# Altium PCB MotorDriverV2.PcbDoc (part 1 of 2)
Units mm, origin at the board's own origin, x right, y up, seen from the top; angles counter-clockwise.
Board outline 159.35 x 101.3 mm, 4 copper layers (Top Layer, GND, VS, Bottom Layer), stack 0.778 mm thick; 213 components, 141 nets, 729 pads, 323 vias.
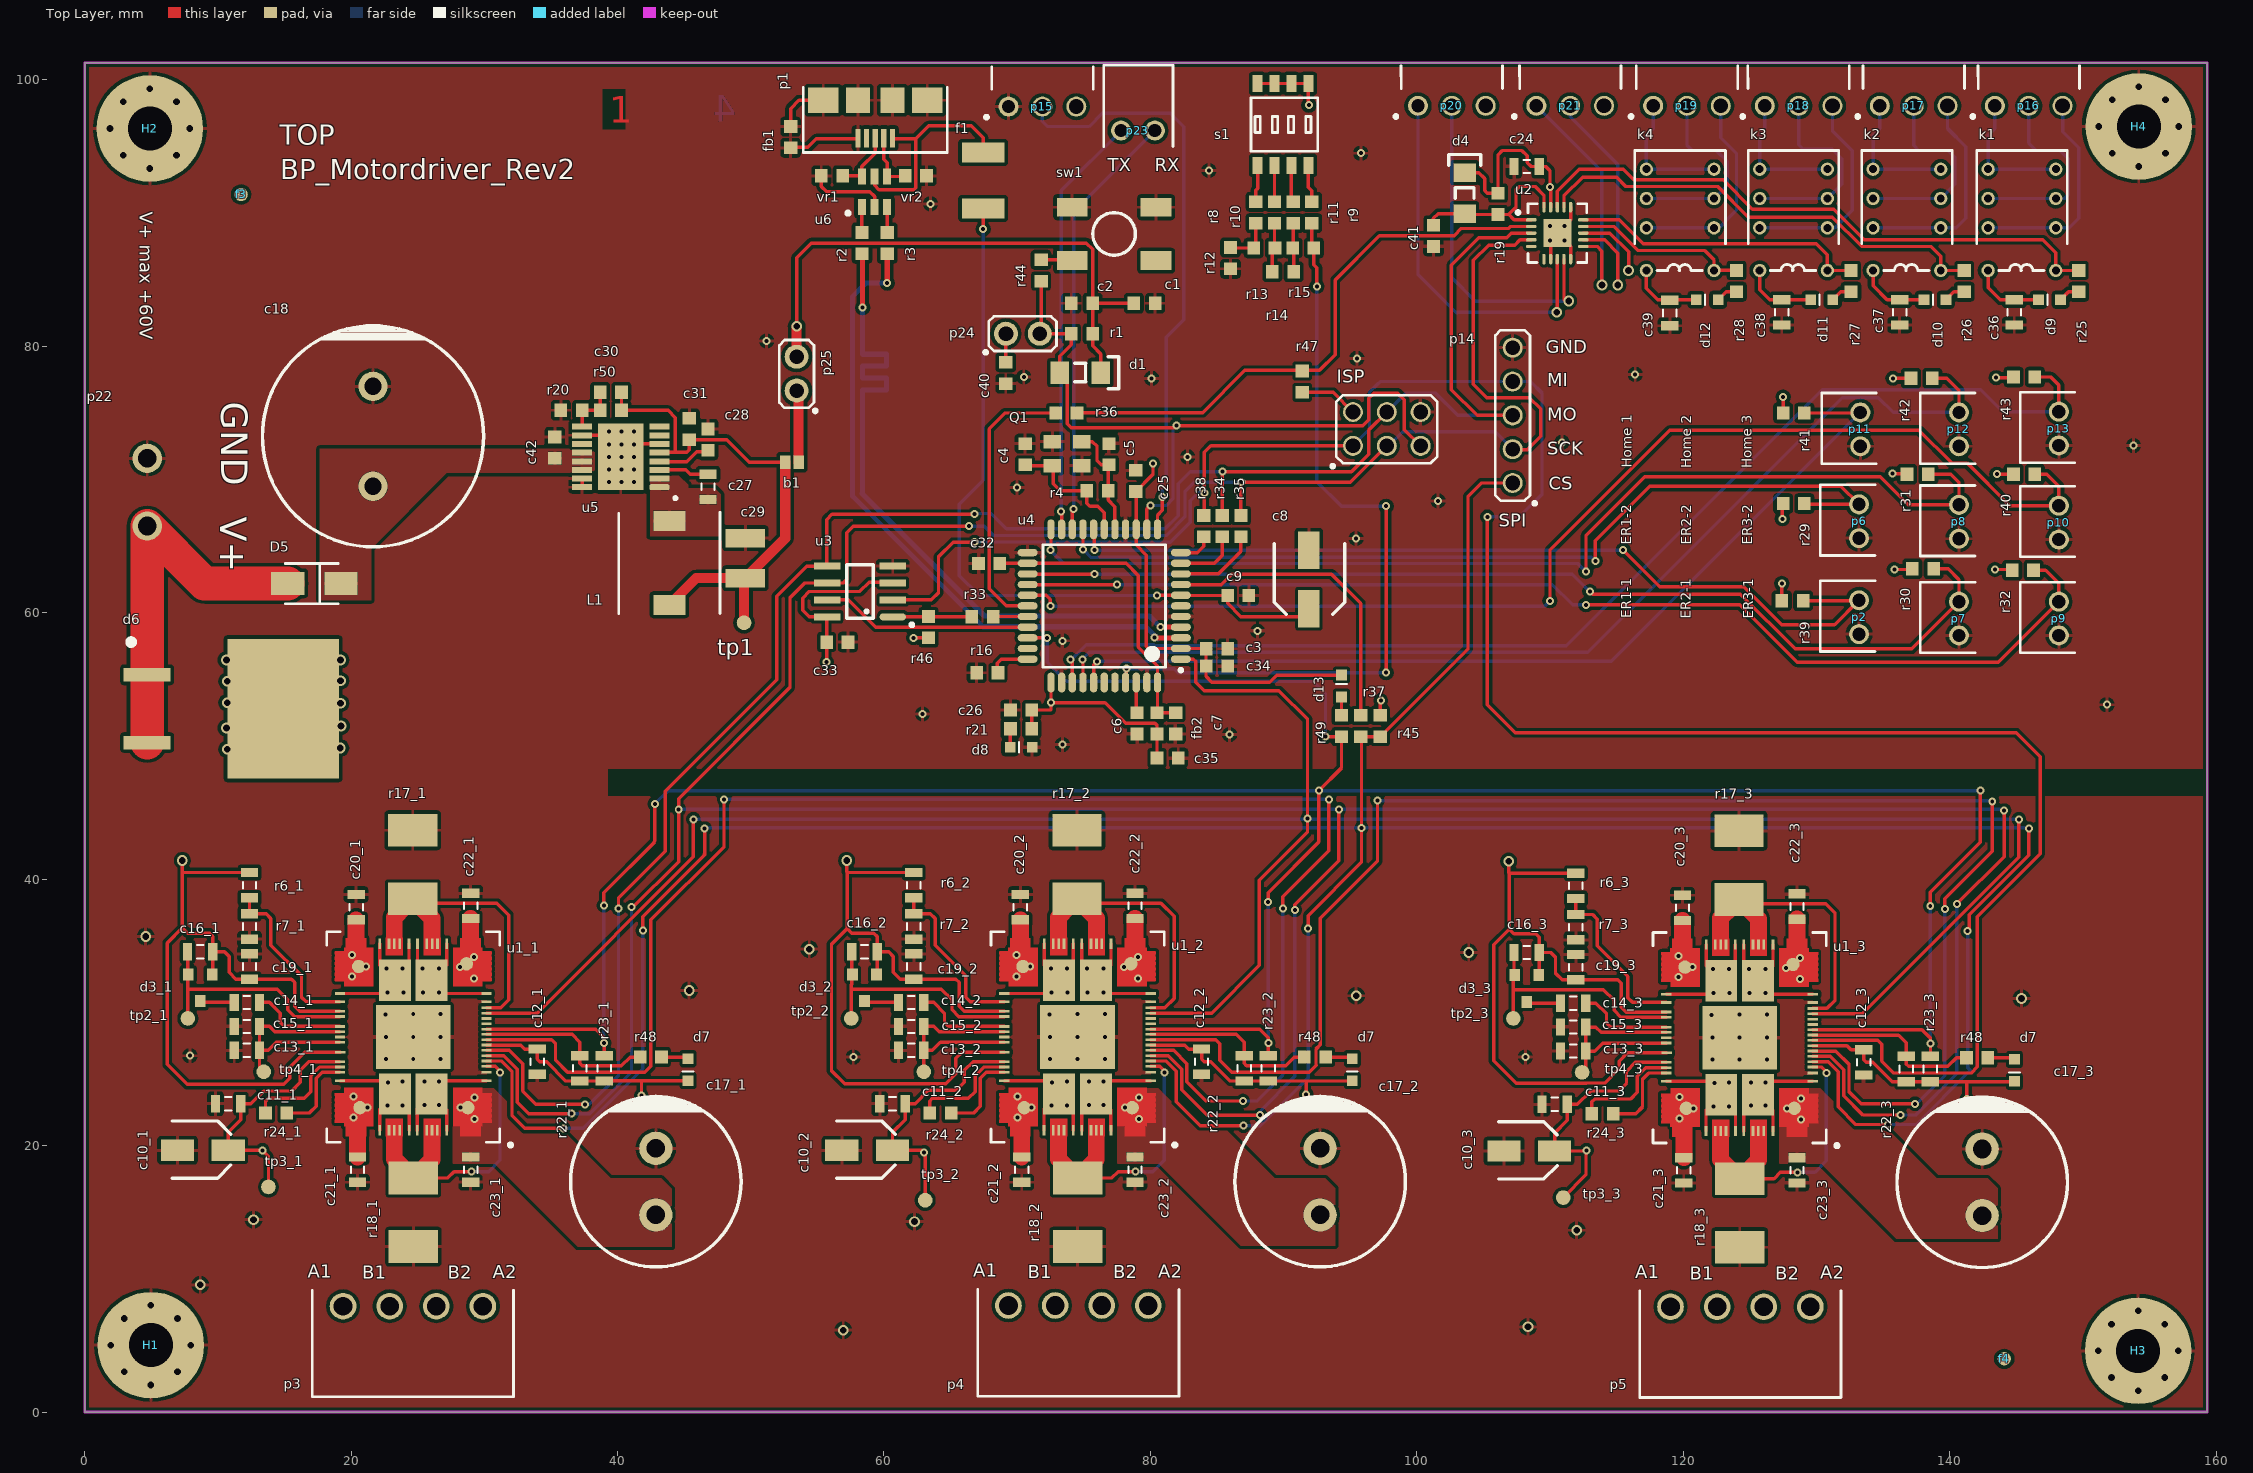
[diagram p0: Top Layer view]
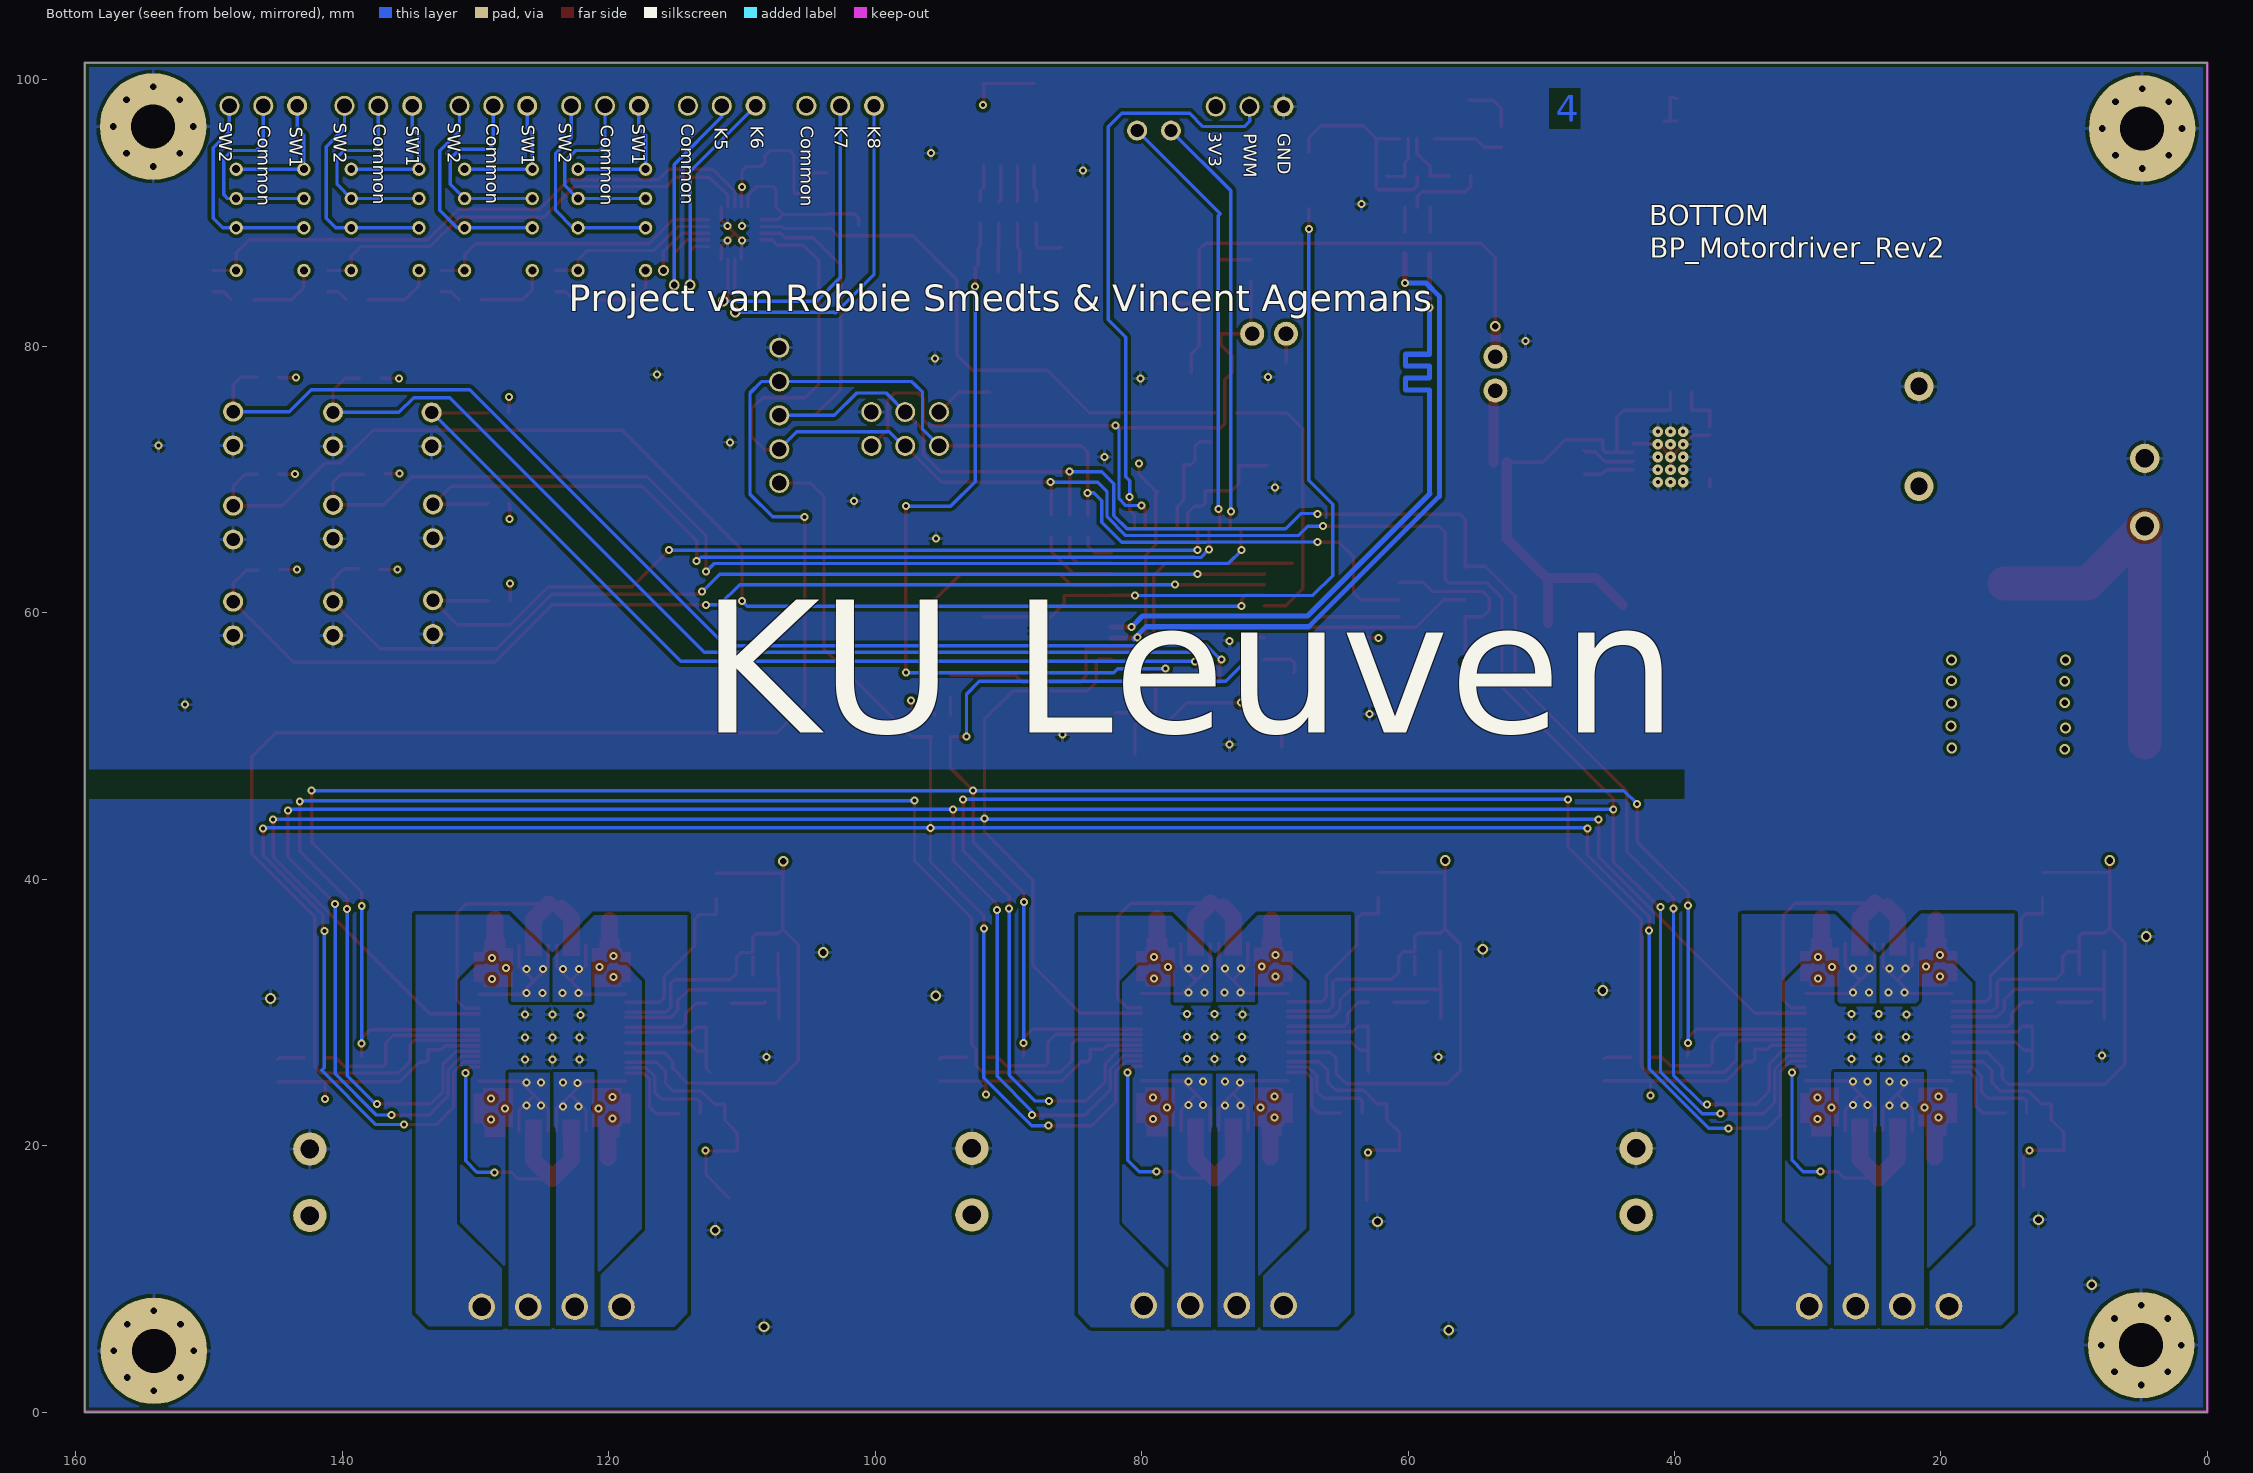
[diagram p1: Bottom Layer view, seen from below]
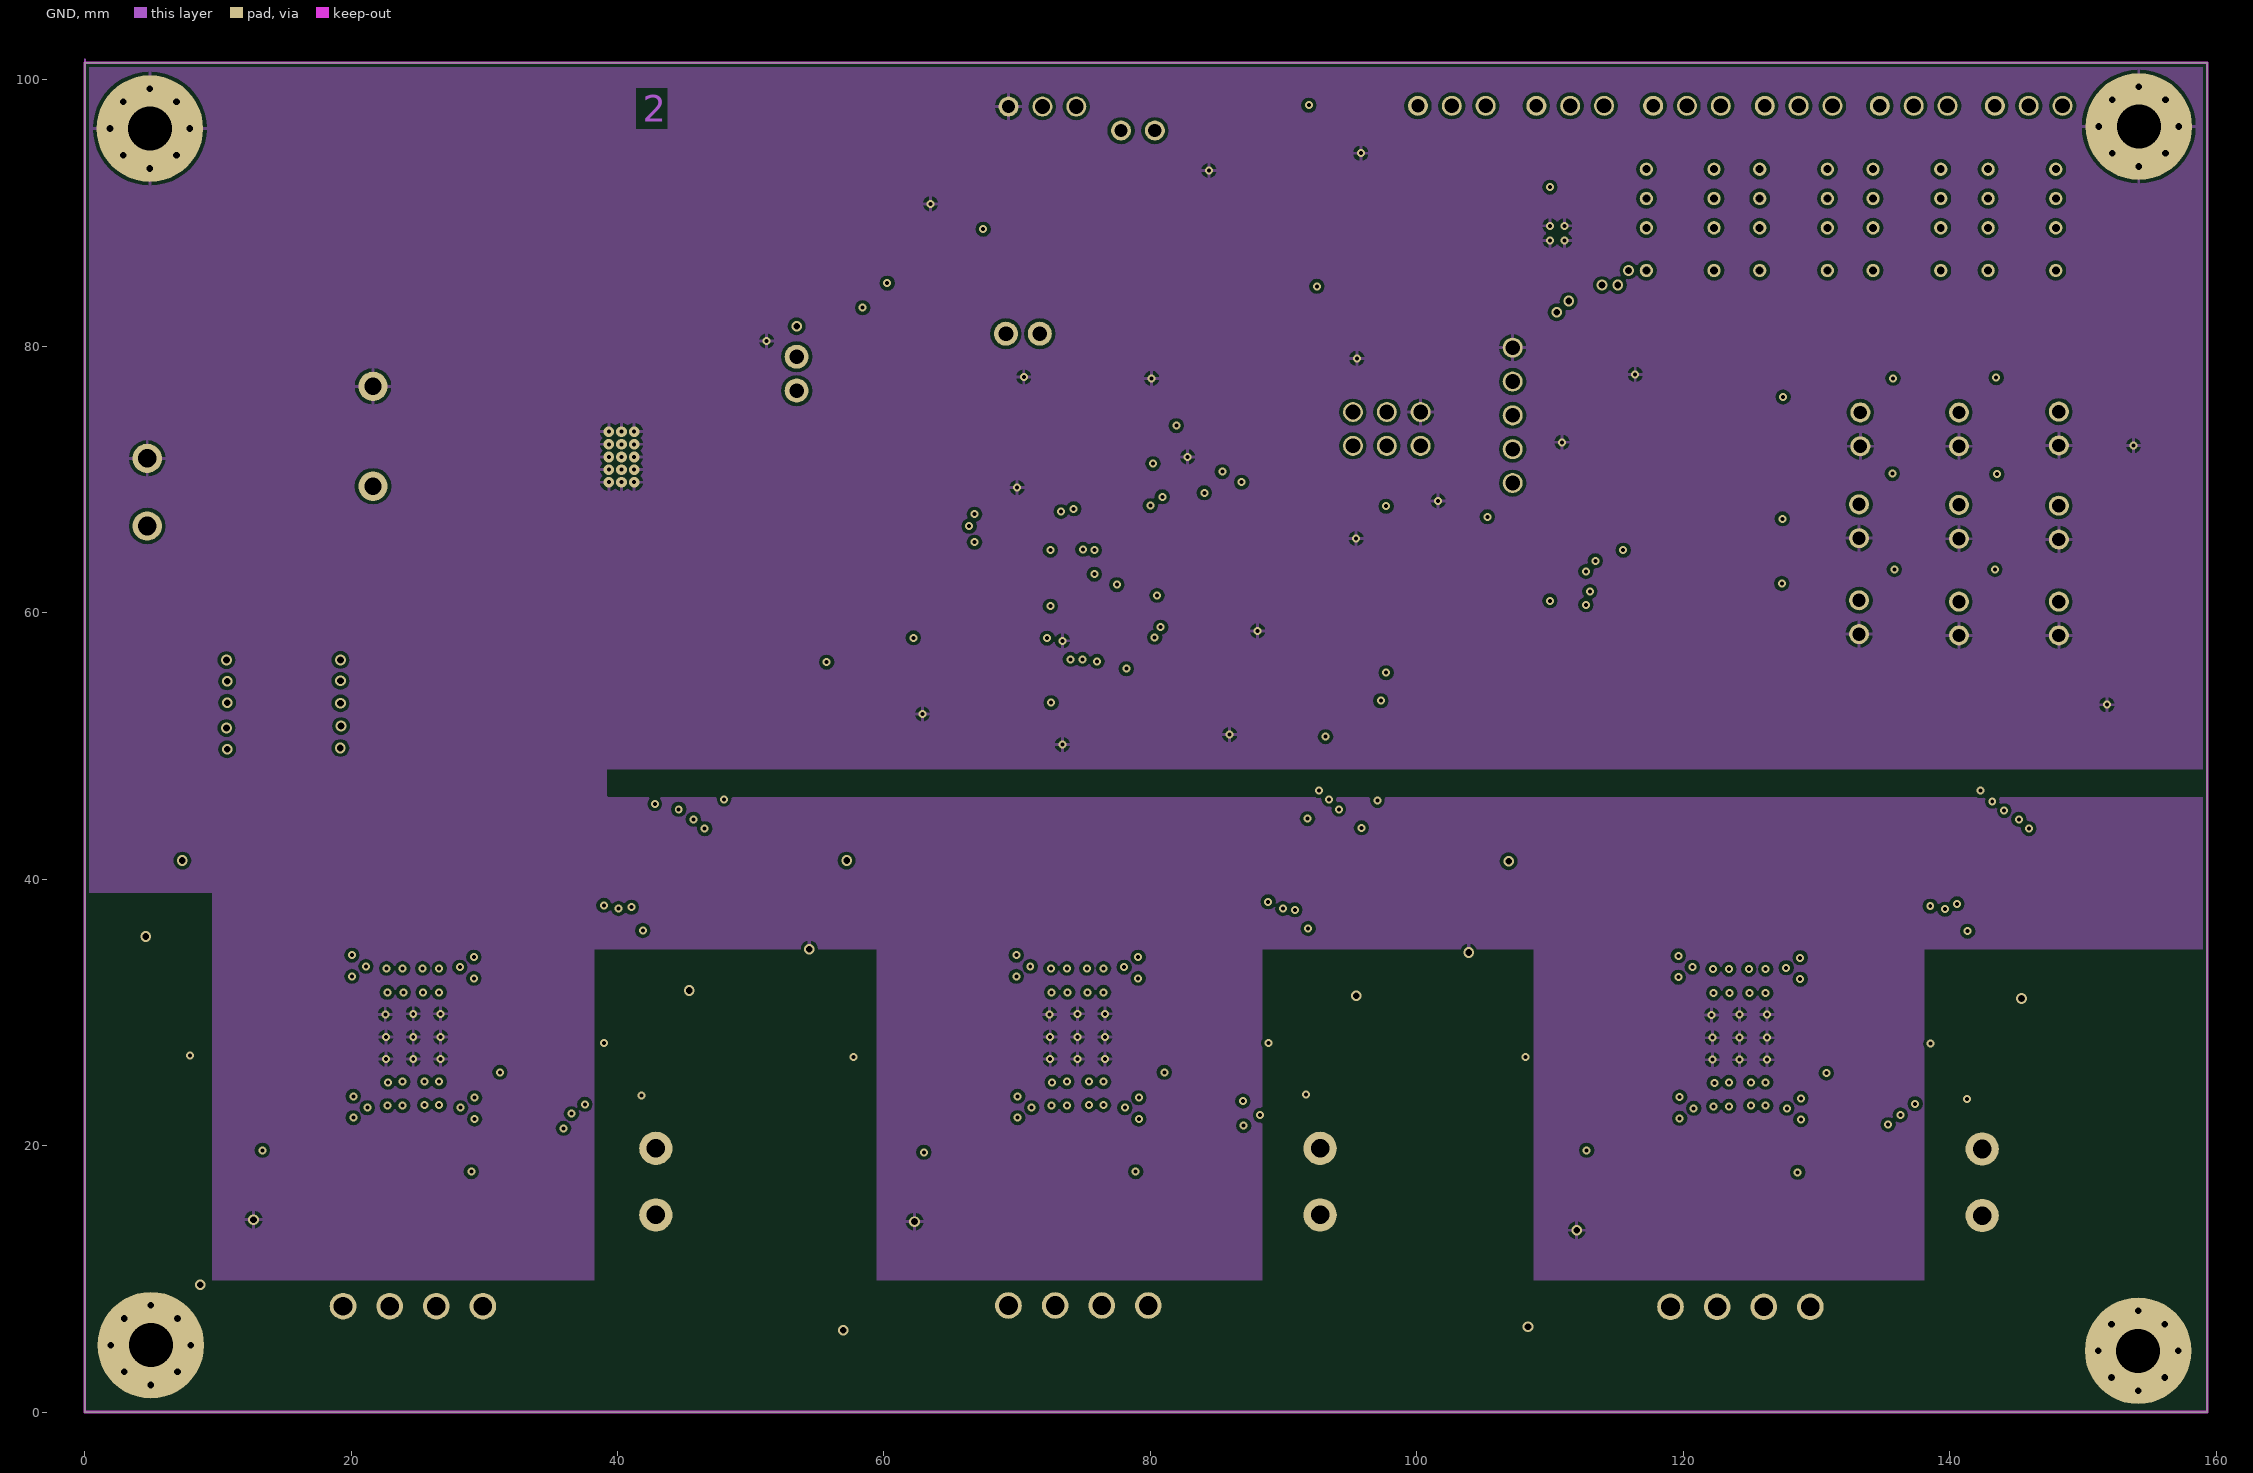
[diagram p2: GND]
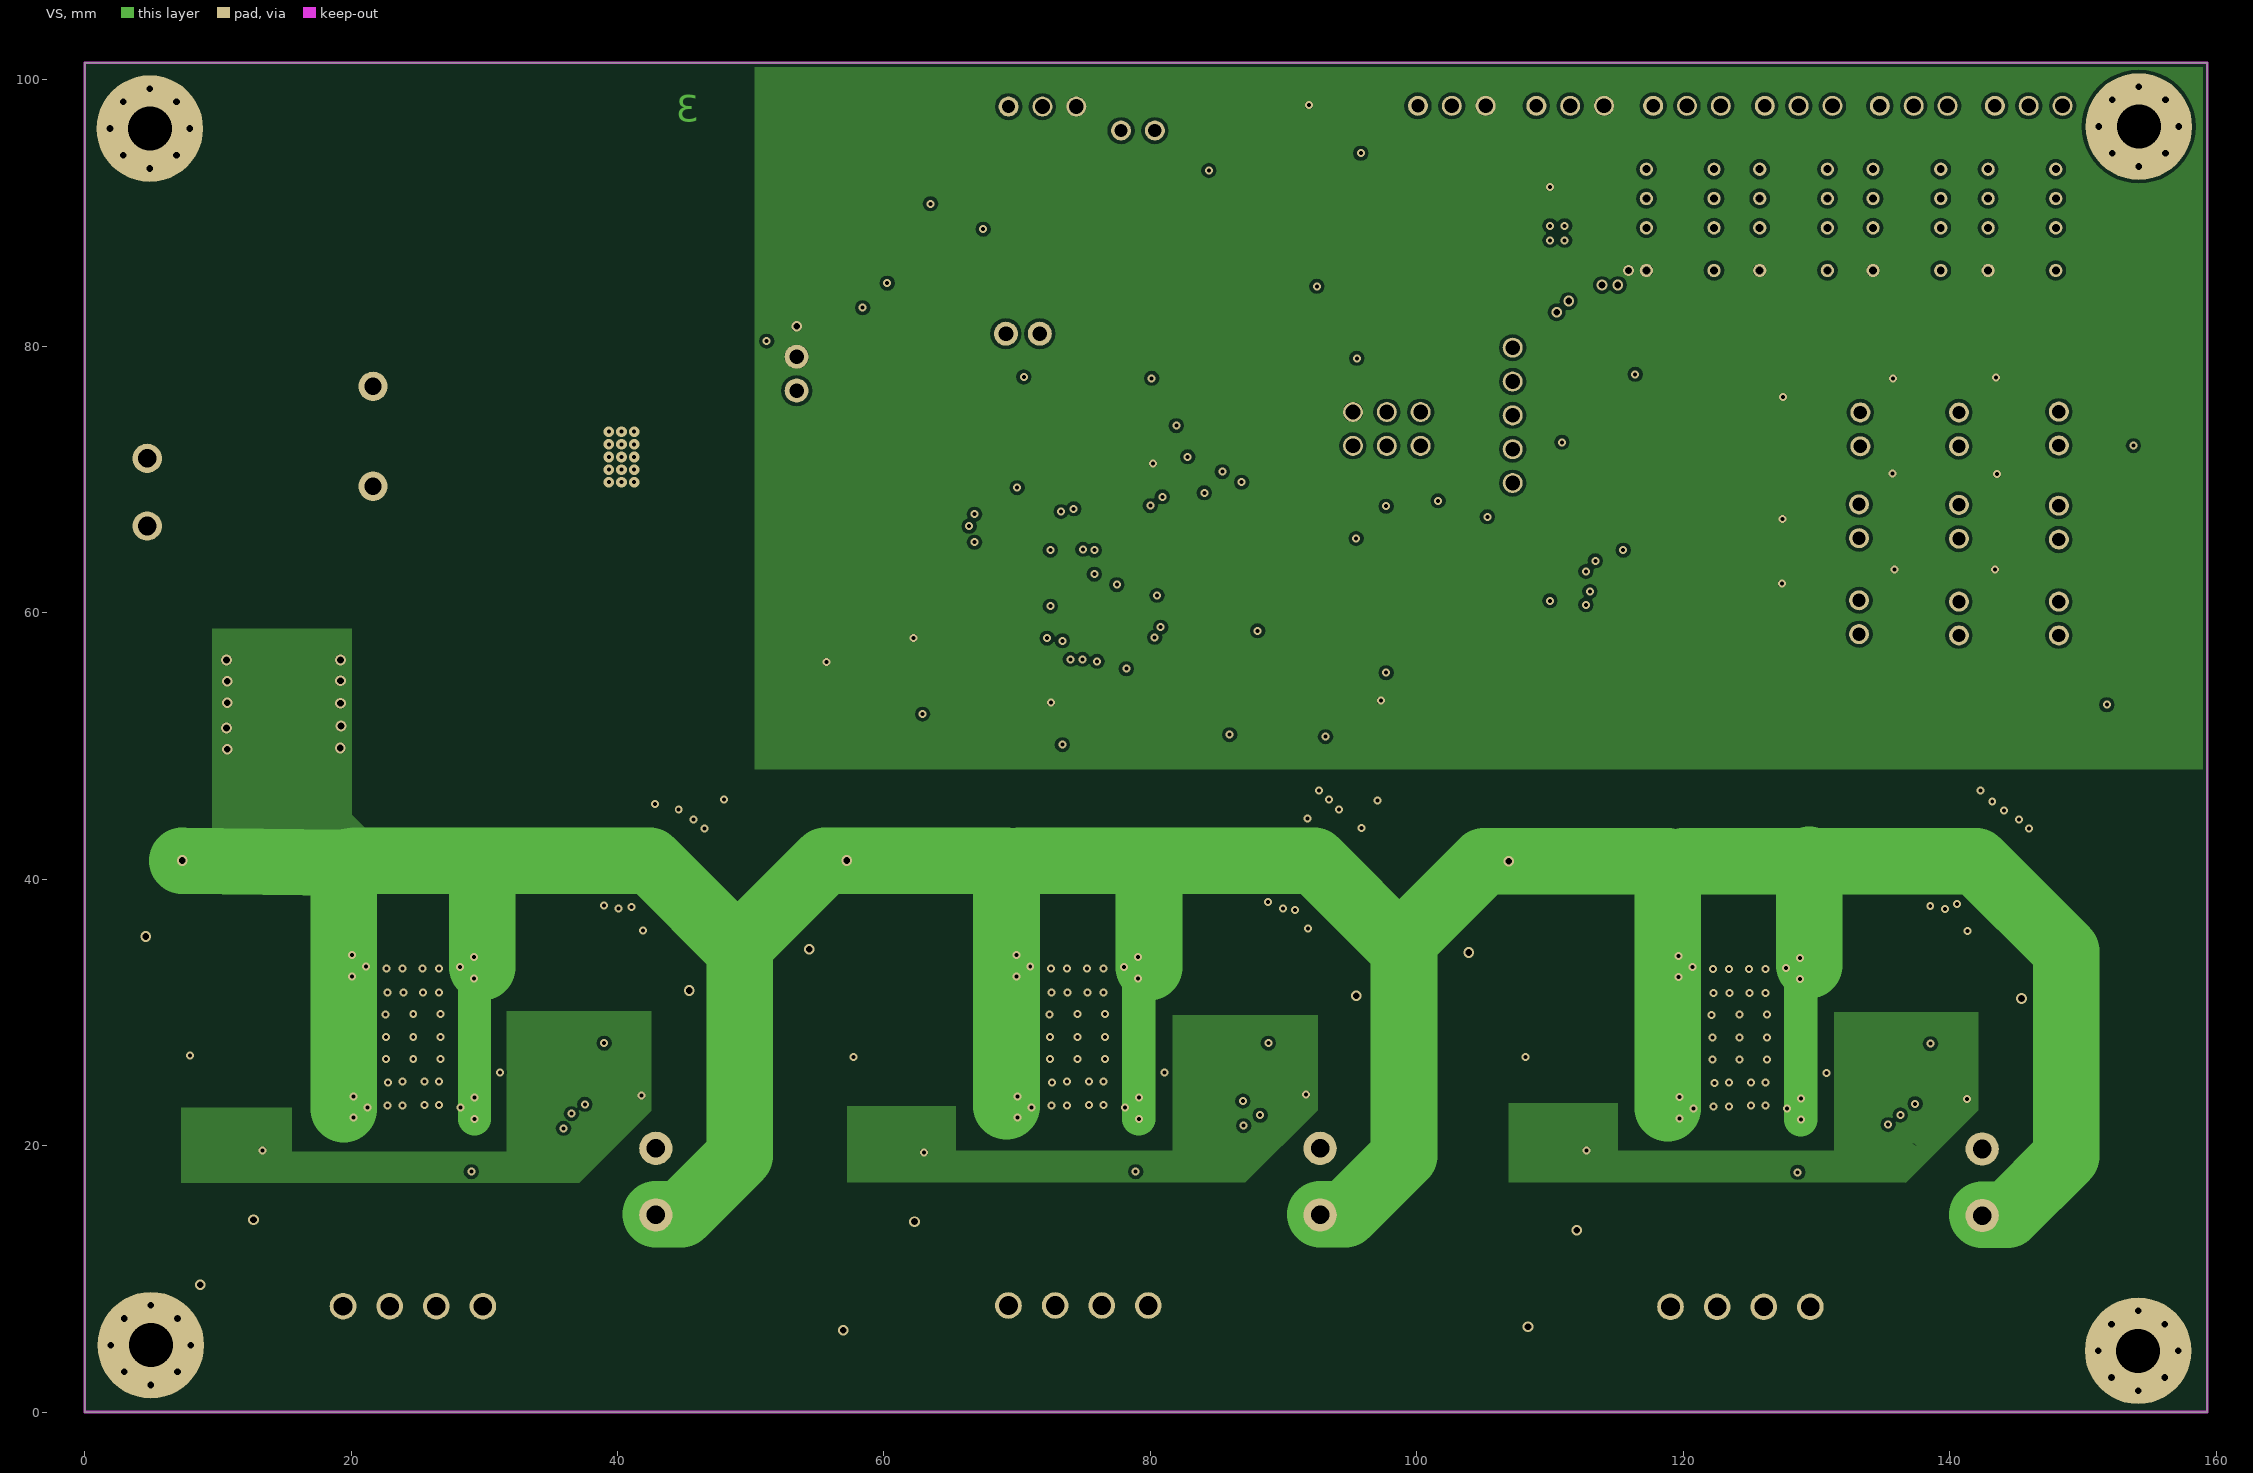
[diagram p3: VS]
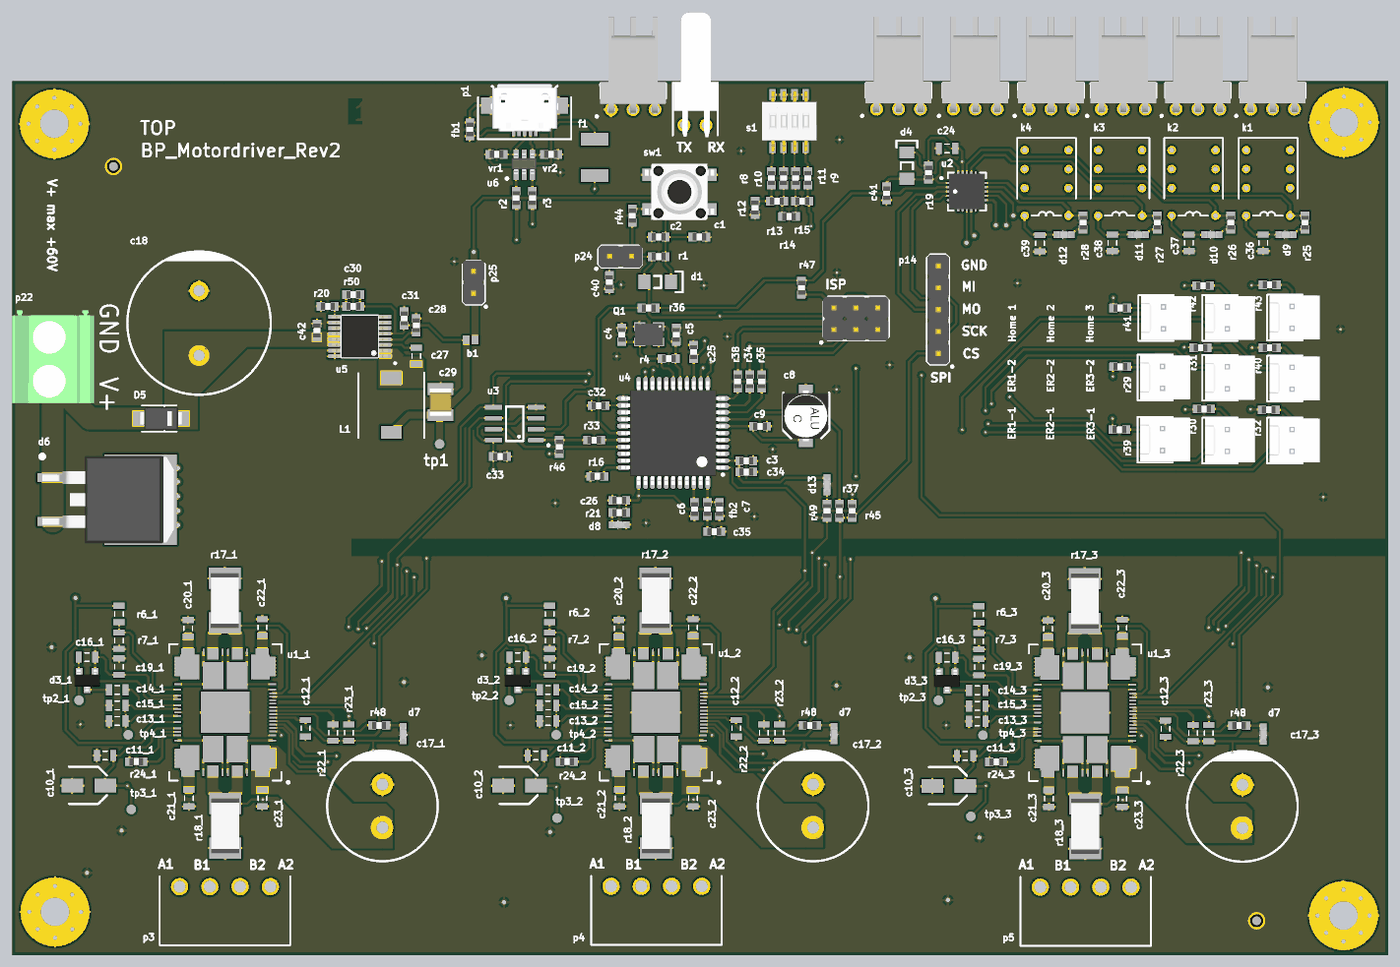
[diagram p5: 3D render of the assembled board from above, using the file's embedded part models]

## Layer stack, top to bottom
Top Solder: solder mask 0.0102, Solder Resist, Dk 3.5
Top Layer: signal copper 0.0356
Dielectric 1: core 0.254, FR-4, Dk 4.2
GND: signal copper 0.036
Dielectric 3: prepreg 0.127, Dk 4.2
VS: signal copper 0.036
Dielectric 2: core 0.254, Dk 4.2
Bottom Layer: signal copper 0.0356
Bottom Solder: solder mask 0.0102, Solder Resist, Dk 3.5

## Board outline
0,0 0,101.3 159.35,101.3 159.35,0

## Design rules (kind name [scope] priority, off if disabled: settings)
Clearance [All] p1: gap=0.254 ignorepadtopadclearanceinfootprint=TRUE except(0.127: Arc-Arc Arc-Track Arc-SMDPad Arc-THPad Arc-Via Track-Track Track-SMDPad Track-THPad Track-Via SMDPad-SMDPad SMDPad-THPad SMDPad-Via)
DiffPairsRouting [All] p1: maxlimit=0.254 minlimit=0.254 mostfreqgap=0.254 toplayer_minwidth=0.381 toplayer_maxwidth=0.381 toplayer_prefwidth=0.381 midlayer1_minwidth=0.381 midlayer1_maxwidth=0.381 midlayer1_prefwidth=0.381 midlayer2_minwidth=0.381 midlayer2_maxwidth=0.381 midlayer2_prefwidth=0.381 bottomlayer_minwidth=0.381 bottomlayer_maxwidth=0.381 bottomlayer_prefwidth=0.381 maxuncoupledlength=12.7
Height [All] p1: minheight=0 maxheight=1000 prefheight=10
HoleSize [All] p1: absolutevalues=TRUE maxlimit=5 minlimit=0.3 maxpercent=80.000 minpercent=20.000
HoleToHoleClearance [All] p1: gap=0.305 allowstackedmicrovias=TRUE
MinimumAnnularRing [All] p1: minimumring=0.15
MinimumSolderMaskSliver [All] p1: minsoldermaskwidth=0
PolygonConnect PolygonConnect_1 [InNet('GND')] p1: connectstyle=Relief reliefconductorwidth=0.254 reliefentries=4 polygonreliefangle="90 Angle" airgapwidth=0.254
PolygonConnect [InNet('PS')] p2: connectstyle=Relief reliefconductorwidth=0.254 reliefentries=4 polygonreliefangle="90 Angle" airgapwidth=0.254
RoomDefinition U_M_Driver3 [InComponentClass('U_M_Driver3')] p1: confinementstyle=ConfineIn formatcopy=TRUE lockcomponents=FALSE outline 149.846,47.05 100.9,47.05 100.9,2.25 149.846,2.25
RoomDefinition U_M_Driver2 [InComponentClass('U_M_Driver2')] p2: confinementstyle=ConfineIn formatcopy=TRUE lockcomponents=FALSE outline 100.146,47.1 51.2,47.1 51.2,2.3 100.146,2.3
RoomDefinition U_M_Driver1 [InComponentClass('U_M_Driver1')] p3: confinementstyle=ConfineIn formatcopy=TRUE lockcomponents=FALSE outline 50.28,47.1 1.334,47.1 1.334,2.3 50.28,2.3
RoutingVias [All] p1: holewidth=0.5 width=0.8 viastyle="Through Hole" minholewidth=0.3 minwidth=0.6 maxholewidth=1 maxwidth=1.3
SMDEntry [All] p1: side=TRUE corner=TRUE anyangle=TRUE
SMDToCorner [All] p1: distance=0
SMDToPlane [All] p1: distance=0
SilkToSolderMaskClearance [IsPad] p1: minsilkscreentomaskgap=0.152 clearancetoexposedcopper=TRUE
SolderMaskExpansion [All] p1: expansion=0.102
Width [All] p1: maxlimit=5.08 minlimit=0.102 preferedwidth=0.127
24 further rules are at their usual default settings.

## Classes and differential pairs
component class "U_Power Supply": b1 c18 c27 c28 c29 c30 c31 c42 D5 d6 L1 p22 p25 r20 r50 tp1 u5
channel class M_Driver: U_M_Driver1 U_M_Driver2 U_M_Driver3
net class SDO[1..3]: SDO1 SDO2 SDO3
net class Relay_OUT[1..4]: Relay_OUT1 Relay_OUT2 Relay_OUT3 Relay_OUT4 Relay_OUT5 Relay_OUT6 Relay_OUT7 Relay_OUT8
net class OUTB2_[1..3]: OUTB2_1 OUTB2_2 OUTB2_3
net class OUTB1_[1..3]: OUTB1_1 OUTB1_2 OUTB1_3
net class OUTA2_[1..3]: OUTA2_1 OUTA2_2 OUTA2_3
net class OUTA1_[1..3]: OUTA1_1 OUTA1_2 OUTA1_3
component class "U_Relais sheet": c24 c41 d4 d9 d10 d11 d12 p20 p21 r19 r25 r26 r27 r28 u2
component class U_M_Driver3: c10_3 c11_3 c12_3 c13_3 c14_3 c15_3 c16_3 c17_3 c17_U_M_Driver3 c19_3 c20_3 c21_3 c22_3 c23_3 d3_3 r6_3 r7_3 r17_3 r18_3 r22_3 r23_3 r24_3 tp2_3 tp2_U_M_Driver3 tp3_3 tp4_3 u1_3
component class U_M_Driver2: c10_2 c11_2 c12_2 c13_2 c14_2 c15_2 c16_2 c17_2 c17_U_M_Driver2 c19_2 c20_2 c21_2 c22_2 c23_2 d3_2 r6_2 r7_2 r17_2 r18_2 r22_2 r23_2 r24_2 tp2_2 tp2_U_M_Driver2 tp3_2 tp4_2 u1_2
component class U_M_Driver1: c10_1 c11_1 c12_1 c13_1 c14_1 c15_1 c16_1 c17_1 c17_U_M_Driver1 c19_1 c20_1 c21_1 c22_1 c23_1 d3_1 r6_1 r7_1 r17_1 r18_1 r22_1 r23_1 r24_1 tp2_1 tp3_1 tp4_1 u1_1
component class U_Controller: c1 c2 c3 c4 c5 c6 c7 c8 c9 c25 c26 c32 c33 c34 c35 c40 d1 d8 f1 fb1 fb2 p1 p14 p23 p24 Q1 r1 r2 r3 r4 r8 r9 r10 r11 r12 r13 r14 r15 r16 r21 r33 r34 r35 r36 r37 r38 r44 r45 r46 r47 s1 sw1 u3 u4 u6 vr1 vr2
component class "TOP Sheet": c36 c37 c38 c39 d13 f3 f4 H1 H2 H3 H4 H* ISP k1 k2 k3 k4 p2 p3 p4 p5 p6 p7 p8 p9 p10 p11 p12 p13 p15 p16 p17 p18 p19 r29 r30 r31 r32 r39 r40 r41 r42 r43 r49
differential pair USB: +USB_P -USB_N
